# KiCad board BYOM_Blank_panel.kicad_pcb (continued)
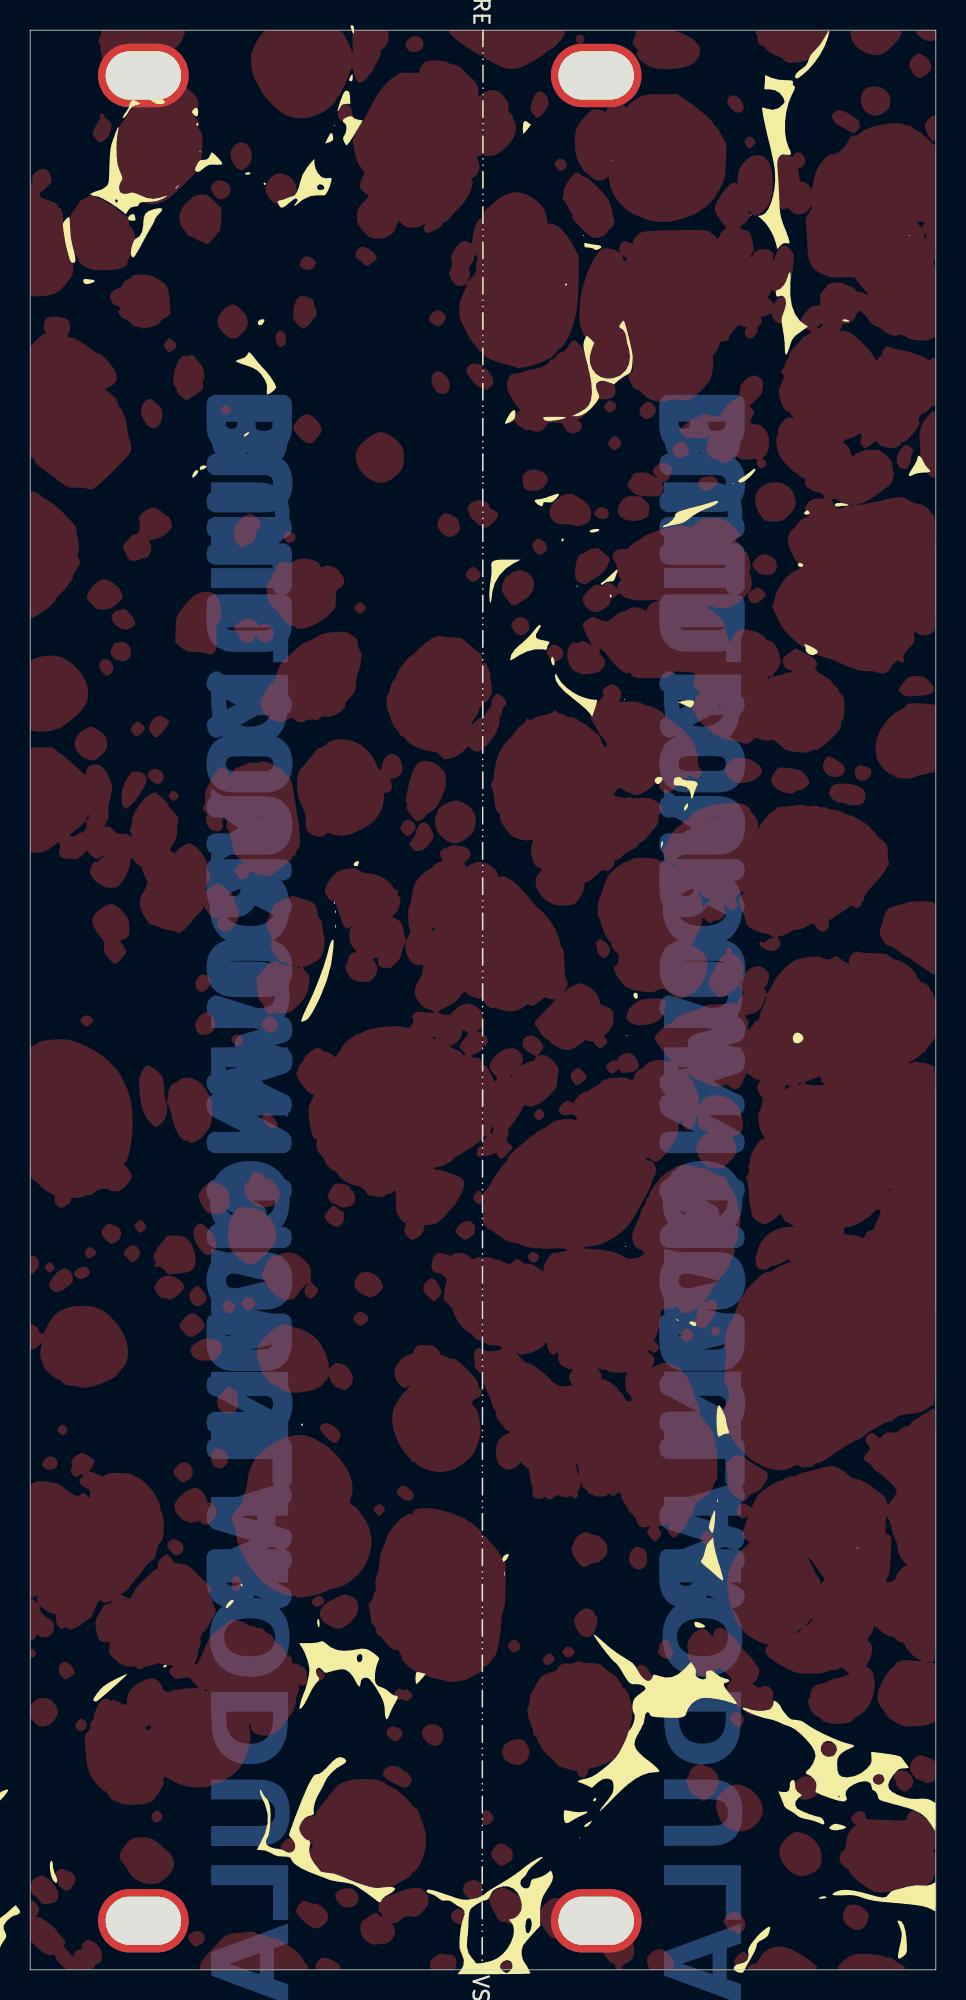
[diagram p0: board, top side]
## Copper pours and planes (outline as drawn; the poured copper is in the pictures) (continued)
Net-(H1-Pad1) on Bottom (solid shape): 15.69,47.29 15.95,47.26 16.21,47.19 16.46,47.08 16.5,47.05 16.7,46.89 16.85,46.7 16.97,46.48 17,46.41 17.07,46.17 17.12,45.9 17.13,45.65 17.13,45.56 17.11,45.31 17.05,45.05 16.97,44.81 16.95,44.76 16.82,44.55 16.66,44.36 16.46,44.21 16.26,44.12 16.01,44.04 15.76,44 15.51,43.99 13.55,43.99 13.37,44 13.11,44.03 12.85,44.1 12.61,44.21 12.56,44.24 12.37,44.4 12.21,44.59 12.09,44.81 12.06,44.88 11.99,45.13 11.94,45.39 11.93,45.65 12.71,45.65 12.72,45.56 12.77,45.32 12.91,45.11 13.03,45.02 13.27,44.93 13.53,44.91 15.53,44.91 15.68,44.92 15.93,44.97 16.15,45.11 16.21,45.17 16.31,45.39 16.35,45.65 16.34,45.73 16.29,45.97 16.15,46.19 16.03,46.28 15.79,46.36 15.53,46.39 13.53,46.39 13.38,46.38 13.13,46.32 12.91,46.19 12.86,46.12 12.75,45.9 12.71,45.65 11.93,45.65 11.93,45.73 11.95,45.99 12.01,46.25 12.09,46.49 12.11,46.53 12.24,46.74 12.4,46.92 12.61,47.08 12.8,47.17 13.05,47.25 13.3,47.28 13.55,47.29 15.51,47.29
Net-(H1-Pad1) on Bottom (solid shape): 45.69,81.55 45.95,81.52 46.21,81.45 46.46,81.34 46.5,81.31 46.7,81.15 46.85,80.96 46.97,80.74 47,80.67 47.07,80.43 47.12,80.16 47.13,79.91 47.13,79.82 47.11,79.57 47.05,79.31 46.97,79.07 46.95,79.02 46.82,78.81 46.66,78.62 46.46,78.47 46.26,78.38 46.01,78.3 45.76,78.26 45.51,78.25 43.55,78.25 43.37,78.26 43.11,78.29 42.85,78.36 42.61,78.47 42.56,78.5 42.37,78.66 42.21,78.85 42.09,79.07 42.06,79.14 41.99,79.39 41.94,79.65 41.93,79.91 42.71,79.91 42.72,79.82 42.77,79.58 42.91,79.37 43.03,79.28 43.27,79.19 43.53,79.17 45.53,79.17 45.68,79.17 45.93,79.23 46.15,79.37 46.21,79.43 46.31,79.65 46.35,79.91 46.34,79.99 46.29,80.23 46.15,80.45 46.03,80.53 45.79,80.62 45.53,80.65 43.53,80.65 43.38,80.64 43.13,80.58 42.91,80.45 42.86,80.38 42.75,80.16 42.71,79.91 41.93,79.91 41.93,79.99 41.95,80.25 42.01,80.51 42.09,80.75 42.11,80.79 42.24,81 42.4,81.18 42.61,81.34 42.8,81.43 43.05,81.5 43.3,81.54 43.55,81.55 45.51,81.55
Net-(H1-Pad1) on Bottom (solid shape): 45.69,68 45.95,67.97 46.21,67.9 46.46,67.79 46.5,67.76 46.7,67.6 46.85,67.42 46.97,67.2 47,67.13 47.07,66.88 47.12,66.61 47.13,66.36 47.13,66.27 47.11,66.03 47.05,65.76 46.97,65.52 46.95,65.47 46.82,65.26 46.66,65.08 46.46,64.93 46.26,64.83 46.01,64.76 45.76,64.72 45.51,64.71 43.55,64.71 43.37,64.71 43.11,64.74 42.85,64.81 42.61,64.93 42.56,64.95 42.37,65.11 42.21,65.3 42.09,65.52 42.06,65.59 41.99,65.84 41.94,66.11 41.93,66.36 42.71,66.36 42.72,66.28 42.77,66.04 42.91,65.82 43.03,65.73 43.27,65.65 43.53,65.62 45.53,65.62 45.68,65.63 45.93,65.68 46.15,65.82 46.21,65.88 46.31,66.11 46.35,66.36 46.34,66.44 46.29,66.69 46.15,66.9 46.03,66.99 45.79,67.08 45.53,67.1 43.53,67.1 43.38,67.09 43.13,67.04 42.91,66.9 42.86,66.84 42.75,66.62 42.71,66.36 41.93,66.36 41.93,66.45 41.95,66.7 42.01,66.96 42.09,67.2 42.11,67.25 42.24,67.46 42.4,67.64 42.61,67.79 42.8,67.88 43.05,67.96 43.3,68 43.55,68.01 45.51,68.01
Net-(H1-Pad1) on Bottom (solid shape): 45.69,47.29 45.95,47.26 46.21,47.2 46.46,47.08 46.5,47.05 46.7,46.9 46.85,46.71 46.97,46.49 47,46.42 47.07,46.17 47.12,45.91 47.13,45.65 47.13,45.57 47.11,45.32 47.05,45.06 46.97,44.81 46.95,44.77 46.82,44.55 46.66,44.37 46.46,44.22 46.26,44.12 46.01,44.05 45.76,44.01 45.51,44 43.55,44 43.37,44.01 43.11,44.04 42.85,44.1 42.61,44.22 42.56,44.25 42.37,44.4 42.21,44.59 42.09,44.81 42.06,44.88 41.99,45.13 41.94,45.4 41.93,45.65 42.71,45.65 42.72,45.57 42.77,45.33 42.91,45.11 43.03,45.03 43.27,44.94 43.53,44.91 45.53,44.91 45.68,44.92 45.93,44.98 46.15,45.11 46.21,45.18 46.31,45.4 46.35,45.65 46.34,45.74 46.29,45.98 46.15,46.2 46.03,46.28 45.79,46.37 45.53,46.39 43.53,46.39 43.38,46.39 43.13,46.33 42.91,46.2 42.86,46.13 42.75,45.91 42.71,45.65 41.93,45.65 41.93,45.74 41.95,45.99 42.01,46.25 42.09,46.5 42.11,46.54 42.24,46.75 42.4,46.93 42.61,47.08 42.8,47.18 43.05,47.25 43.3,47.29 43.55,47.3 45.51,47.3
Net-(H1-Pad1) on Top: 28.4,3.03
Net-(H1-Pad1) on Top: 13.7,38.21 13.71,38.14 13.72,38.05 13.72,37.96 13.73,37.85 13.74,37.74 13.75,37.58 13.75,37.45 13.75,37.39 13.75,37.34 13.74,37.29 13.74,37.25 13.73,37.22 13.71,37.18 13.7,37.15 13.68,37.13 13.33,36.88 13.28,36.86 13.23,36.86 13.18,36.85 13.12,36.85 13.07,36.86 13.01,36.86 12.96,36.87 12.9,36.89 12.84,36.91 12.71,38.24 12.79,38.32 12.86,38.39 12.93,38.45 12.99,38.51
Net-(H1-Pad1) on Top: 34.32,123.54 34.3,123.47 34.26,123.4 34.22,123.32 34.17,123.24 34.11,123.16 34.06,123.08 34,123.01 33.94,122.93 33.88,122.87 33.82,122.81 33.76,122.76 33.71,122.73 33.24,123.81 33.26,123.86 33.28,123.91 33.31,123.97 33.35,124.03 33.38,124.1 33.42,124.16 33.46,124.21 33.5,124.27 33.54,124.32 33.57,124.36
Net-(H1-Pad1) on Top: -5.8,55.36 -5.68,55.24 -5.54,55.1 -5.28,54.83 -4.52,54.06 -4.12,53.66 -3.8,53.32 -3.67,53.19 -3.58,53.08 -3.52,53.01 -3.44,52.86 -3.4,52.79 -3.35,52.71 -3.29,52.61 -3.23,52.52 -3.09,52.31 -3.03,52.2 -2.96,52.09 -2.91,51.99 -2.86,51.9 -2.82,51.82 -2.79,51.75 -2.33,50.9 -2.3,50.76 -2.27,50.63 -2.24,50.51 -2.2,50.41 -2.08,50.15 -2.06,50.12 -2.04,50.04 -2.02,49.94 -2.01,49.83 -2,49.7 -1.99,49.57 -1.99,49.43 -1.99,49.29 -2,49.16 -2.01,49.02 -2.02,48.9 -2.03,48.79 -2.05,48.7 -2.07,48.62 -2.1,48.57 -2.11,48.56 -2.2,47.77 -2.24,47.67 -2.28,47.56 -2.31,47.45 -2.34,47.34 -2.36,47.24 -2.37,47.15 -3.09,45.54 -3.12,45.49 -3.17,45.43 -3.24,45.35 -3.32,45.26 -3.41,45.16 -3.52,45.06 -3.63,44.95 -3.75,44.84 -3.87,44.73 -3.99,44.62 -4.11,44.52 -4.23,44.42 -4.34,44.33 -4.44,44.25 -5.26,43.55 -5.32,43.53 -5.39,43.51 -5.72,43.47 -6.04,43.48 -6.04,49.43 -6.04,53.05 -6.02,54.13 -6,54.84 -5.95,55.23 -5.92,55.33 -5.89,55.38 -5.85,55.39
Net-(H1-Pad1) on Top: 25.59,128.11 25.63,128.1 25.67,128.09 25.71,128.08 25.74,128.07 25.78,128.05 25.81,128.03 25.84,128.01 25.87,127.99 25.9,127.96 25.93,127.93 25.95,127.9 25.97,127.87 25.99,127.83 26.01,127.8 26.02,127.76 26.03,127.71 26.04,127.67 26.05,127.62 26.05,127.58 26.05,127.53 26.04,127.49 26.03,127.45 26.02,127.41 26,127.38 25.98,127.34 25.96,127.31 25.93,127.27 25.91,127.24 25.88,127.22 25.84,127.19 25.81,127.16 25.77,127.14 25.74,127.12 25.7,127.1 25.66,127.09 25.62,127.08 25.58,127.07 25.53,127.06 25.49,127.05 25.45,127.05 25.4,127.05 25.36,127.05 25.32,127.06 25.28,127.07 25.24,127.08 25.2,127.09 25.16,127.11 25.12,127.13 25.09,127.16 25.05,127.18 25.07,127.91 25.11,127.94 25.15,127.97 25.18,128 25.22,128.02 25.26,128.05 25.31,128.06 25.35,128.08 25.39,128.09 25.43,128.1 25.47,128.11 25.51,128.11 25.55,128.11
Net-(H1-Pad1) on Top: 36.8,59.01 36.76,58.96 36.72,58.92 36.67,58.87 36.61,58.83 36.56,58.78 36.5,58.74 36.44,58.7 36.39,58.67 36.34,58.64
Net-(H1-Pad1) on Top: 14.49,89.51 14.56,89.49 14.62,89.47 14.68,89.44 14.74,89.42 14.8,89.39 14.85,89.36 14.9,89.34 14.94,89.31 14.98,89.28 15.02,89.26 15.05,89.23 15.08,89.2 15.1,89.18 15.34,89.1 15.39,89.13 15.9,89.02 15.93,88.99 15.97,88.94 15.89,88.07 15.24,88.07 15.19,88.11 15.14,88.16 14.87,88.28 14.87,88.24 14.86,88.21 14.84,88.18 14.83,88.15 14.81,88.12 14.16,87.95 14.12,87.97 14.09,87.99 14.06,88.01 14.04,88.03 14.01,88.06 13.99,88.09 13.76,89.21 13.83,89.26 13.9,89.32 13.98,89.37 14.06,89.42
Net-(H1-Pad1) on Top: outline of 219 points within 27.86,106.12 36.34,117.77
Net-(H1-Pad1) on Top: outline of 81 points within 9.56,29.58 12.35,31.93
Net-(H1-Pad1) on Top: -0.65,0.2 -0.61,0.2 -0.56,0.19 -0.52,0.19 -0.45,0.17 -0.38,0.14 -0.3,0.11 -0.21,0.08 -0.13,0.05 -0.05,0.01 0.03,-0.03 0.11,-0.08 0.19,-0.12 0.26,-0.16 0.32,-0.2 0.38,-0.24 0.43,-0.28 0.47,-0.32 0.5,-0.35 0.12,-0.48 0.02,-0.49 -0.1,-0.49 -0.24,-0.49 -0.39,-0.49 -0.56,-0.49 -0.75,-0.49 -1.17,-0.49 -1.48,-0.49 -1.71,-0.48 -1.8,-0.48 -1.86,-0.47 -1.92,-0.46 -1.95,-0.45 -1.98,-0.44 -1.99,-0.43 -1.99,-0.41 -1.99,-0.39 -1.94,-0.31 -1.92,-0.28 -1.89,-0.25 -1.79,-0.16 -1.71,-0.11 -1.62,-0.05 -1.53,0 -1.43,0.04 -1.32,0.08 -1.22,0.12 -1.11,0.15 -1,0.17 -0.9,0.19 -0.79,0.2 -0.7,0.21
Net-(H1-Pad1) on Top: 42.29,99.73 42.34,99.7 42.4,98.92 42.37,98.87 42.34,98.83 42.3,98.78 42.27,98.74 42.23,98.7 42.19,98.66 41.96,98.13 41.95,98.08 41.93,98.03 41.91,97.98 41.89,97.92 41.86,97.87 41.83,97.82 41.79,97.78 41.76,97.74 40.96,97.62 40.4,97.66 40.73,97.35 40.87,97.22 40.9,97.18 41.02,96.85 41,96.68 40.97,96.42 40.95,96.3 40.66,96.14 40.61,96.12 40.55,96.1 40.49,96.08 40.43,96.06 40.37,96.04 40.31,96.03 40.25,96.01 40.19,96 40.13,96 40.07,95.99 40.01,95.99 39.95,95.99 39.9,95.99 39.85,95.99 39.81,96 39.65,96.03 39.52,96.06 39.01,97.03 39.05,97.09 39.09,97.16 39.13,97.23 39.9,97.63 39.98,97.63 39.78,98.02 39.53,98.33 39.75,98.72 39.9,99.01 39.96,99.1 40.77,99.19 40.82,99.18 40.86,99.17 41.2,99.02 41.58,98.81 41.39,99.01
Net-(H1-Pad1) on Top: outline of 214 points within 1.61,5.23 3,6.69
Net-(H1-Pad1) on Top: 27.49,1.02 27.54,1.02 27.59,1.01 28.16,0.12 28.14,0.08 28.13,0.04 28.11,0 28.08,-0.04 27.14,-0.44 27.09,-0.44 27.05,-0.43 27,-0.42 26.49,0.22 26.49,0.29 26.61,0.69 26.65,0.72
Net-(H1-Pad1) on Top: 21.3,123.14 21.33,123.01 21.36,122.87 21.13,122.51 21.08,122.47 20.59,122.5
Net-(H1-Pad1) on Top: outline of 167 points within -3.72,82.03 3.85,87.06
Net-(H1-Pad1) on Top: 33.81,94.76 33.34,94.13 33.32,94.18 33.3,94.23 33.32,94.54 33.35,94.58 33.49,94.73
Net-(H1-Pad1) on Top: outline of 84 points within 48.04,95.94 50.73,98.55
Net-(H1-Pad1) on Top: 4.25,82.29 4.35,82.23 4.41,82.2 4.47,82.17 4.52,82.14 4.57,82.1 4.62,82.07 4.67,82.03 4.71,82 4.75,81.96 4.79,81.92 4.83,81.88 4.87,81.84 4.9,81.8 4.93,81.76 4.96,81.72 4.98,81.68 5.01,81.63 5.03,81.59 5.05,81.55 5.06,81.5 5.08,81.46 5.09,81.41 5.1,81.36 5.1,81.32 5.11,81.27 5.11,81.22 5.11,81.18 5.1,81.13 5.09,81.08 5.08,81.03 5.07,80.98 5.06,80.93 5.04,80.88 5.02,80.83 4.99,80.78 4.96,80.73 4.93,80.68 4.89,80.63 4.84,80.58 4.8,80.53 4.75,80.48 4.69,80.43 4.64,80.39 4.59,80.34 4.53,80.3 4.47,80.27 4.42,80.24 4.36,80.21 4.3,80.18 3.71,80.22 3.51,80.32 3.45,80.37 3.38,80.43 3.32,80.49 3.25,80.56 3.2,80.63 3.14,80.7 3.09,80.77 3.05,80.85 3.01,80.92 2.98,80.99 2.95,81.33 2.97,81.41 2.99,81.48 3.03,81.56 3.06,81.63 3.11,81.7 3.15,81.78 3.21,81.84 3.26,81.91 3.32,81.98 3.39,82.03 3.45,82.09 3.52,82.14 3.6,82.18 3.67,82.22 3.79,82.28
Net-(H1-Pad1) on Top: 22.07,114.14 22.11,114.14 22.15,114.13 22.2,114.12 22.24,114.1 22.28,114.09 22.37,114.05 22.46,114 22.54,113.95 22.62,113.89 22.7,113.82 22.76,113.76 22.82,113.69 22.88,113.62 22.95,113.46 22.95,113.43 22.95,113.4 22.95,113.38 22.94,113.35 22.93,113.33 22.91,113.3 22.88,113.27 22.36,112.89
Net-(H1-Pad1) on Top: 25.23,76.14 25.27,76.11 25.32,76.07 25.36,76.04 25.39,76 25.43,75.96 25.46,75.91 25.48,75.54 25.45,75.49 25.41,75.44 25.38,75.39 25.33,75.34 25.29,75.3 25.25,75.25 25.2,75.21 25.16,75.18 24.58,75.82 24.61,75.87 24.64,75.91 24.68,75.96 24.71,76 24.75,76.05 24.8,76.08 24.84,76.12 24.88,76.15
Net-(H1-Pad1) on Top: 54.6,4.33 54.67,4.33 54.74,4.31 54.8,4.3 54.87,4.28 54.93,4.25 55,4.22 55.06,4.19 55.12,4.15 55.17,4.11 55.24,4.05 55.3,4 55.35,3.95 55.52,3.35 55.51,3.28 55.49,3.22 55.47,3.16 55.44,3.11 55.42,3.06 55.39,3.01 55.36,2.96 55.33,2.92 55.3,2.88 55.27,2.84 55.24,2.81 55.2,2.78 55.16,2.75 55.12,2.72 55.08,2.7 55.04,2.68 55,2.67 54.96,2.66 54.91,2.65 54.87,2.65 54.82,2.64 54.77,2.65 54.73,2.65 54.68,2.66 54.63,2.67 54.58,2.69 54.53,2.71 54.48,2.73 54.43,2.75 54.38,2.78 54.33,2.82 54.28,2.85 53.85,3.36 53.85,3.42 53.84,3.48 53.85,3.55 53.86,3.62 53.87,3.69 53.89,3.76 53.91,3.83 53.93,3.9 53.96,3.97 53.99,4.03 54.02,4.09 54.05,4.14 54.09,4.19 54.21,4.27 54.27,4.29 54.33,4.31 54.4,4.32 54.47,4.33 54.53,4.33
Net-(H1-Pad1) on Top: 36.89,23.94 36.94,23.93 37,23.92 37.05,23.9 37.1,23.88 37.16,23.85 37.2,23.83 37.25,23.8 37.29,23.76 37.58,23.27 37.58,23.21 37.58,23.14 37.57,23.07 37.56,23 37.55,22.92 37.53,22.84 37.51,22.76 37.49,22.68 37.46,22.6 37.43,22.52 37.39,22.45 37.35,22.38 36.44,22.24 36.39,22.29 36.35,22.35 36.31,22.41 36.26,22.48 36.22,22.56 36.18,22.64 36.15,22.71 36.12,22.79 36.09,22.87 36.07,22.94 36.05,23.02 36.04,23.08 36.08,23.31 36.11,23.37 36.14,23.43 36.18,23.49 36.23,23.55 36.28,23.61 36.33,23.67 36.38,23.72 36.44,23.77 36.5,23.82 36.56,23.86 36.62,23.89 36.84,23.94
Net-(H1-Pad1) on Top: outline of 995 points within 17.64,48.41 38.64,74.36
Net-(H1-Pad1) on Top: 35.34,4.59 35.43,4.52 35.99,3.94 36.03,3.88 36.06,3.81 36.09,3.74 36.12,3.67 36.14,3.58 36.15,3.5 36.17,3.42 36.17,3.33 36.17,3.24 36.17,3.16 36.16,3.07 36.15,2.99 36.13,2.91 36.11,2.84 36.08,2.77 36.03,2.67 35.98,2.58 35.93,2.49 35.88,2.42 35.83,2.35 35.34,2.06 35.26,2.05 35.17,2.05 35.08,2.05 34.41,2.26 34.19,2.53 34.13,2.61 34.08,2.69 34,2.8 33.97,2.85 33.94,2.9 33.91,2.95 33.89,3 33.87,3.04 33.85,3.09 33.83,3.14 33.82,3.19 33.81,3.24 33.8,3.29 33.79,3.35 33.79,3.41 33.78,3.68 33.78,3.75 33.78,3.8 33.78,3.85 33.89,4.11 33.92,4.15 33.96,4.2 34.01,4.25 34.12,4.38 34.21,4.46 34.29,4.53
Net-(H1-Pad1) on Top: 6.57,89.9 6.62,89.84 6.67,89.78 6.72,89.71 6.77,89.64 6.81,89.56 6.85,89.49 6.88,89.43 6.91,89.37 6.74,88.94 6.68,88.91 6.01,88.86 5.95,88.89 5.88,88.93 5.82,88.97 5.76,89.02 5.7,89.06 5.64,89.12 5.59,89.17 5.54,89.22 5.5,89.28 5.46,89.33 5.43,89.39 5.41,89.67 5.43,89.71 5.45,89.76 5.47,89.8 5.49,89.84 5.52,89.88 5.55,89.91 5.58,89.95 5.62,89.97
Net-(H1-Pad1) on Top: 20.9,24.85 20.95,24.85 21,24.84 21.05,24.82 21.1,24.81 21.16,24.78 21.23,24.76 21.3,24.73 21.36,24.7 21.73,24.11 21.73,24.05 21.73,23.97 21.72,23.89 21.71,23.82 21.7,23.74 21.68,23.67 21.66,23.61 21.63,23.54 21.6,23.47 21.56,23.41 21.51,23.35 21.46,23.28 21.41,23.22 21.35,23.15 21.28,23.09 21.2,23.02 21.12,22.95 21.03,22.88 20.94,22.81 20.86,22.75 20.78,22.71 20.1,22.66 20.02,22.69 19.94,22.73 19.84,22.78 19.76,22.84 19.68,22.89 19.6,22.93 19.54,22.98 19.48,23.03 19.42,23.08 19.38,23.12 19.34,23.17 19.3,23.21 19.27,23.26 19.25,23.31 19.23,23.36 19.21,23.41 19.2,23.46 19.2,23.52 19.19,23.58 19.5,24.18 19.57,24.24 19.65,24.3 19.74,24.36 19.84,24.43 19.94,24.49 20.05,24.55 20.17,24.6 20.38,24.7 20.47,24.74 20.55,24.78 20.62,24.8 20.68,24.82 20.74,24.84 20.8,24.85 20.85,24.85
Net-(H1-Pad1) on Top: 9.62,48.65 9.73,48.64 9.83,48.63 9.93,48.62 10.02,48.61 10.11,48.58 10.18,48.56 10.5,48.32 10.55,48.25 10.61,48.17 10.66,48.09 10.71,48 10.76,47.9 10.8,47.8 10.83,47.7 10.87,47.6 10.9,47.49 10.92,47.38 10.94,47.27 10.95,47.16 10.95,47.03 10.96,46.96 10.95,46.91 10.95,46.85 10.95,46.8 10.94,46.75 10.93,46.7 10.92,46.65 10.9,46.61 10.88,46.57 10.86,46.53 10.84,46.49 10.81,46.46 10.78,46.43 10.75,46.4 10.72,46.37 10.68,46.34 10.64,46.32 10.59,46.29 10.54,46.27 10.49,46.25 10.43,46.23 10.37,46.21 10.31,46.2 10.24,46.18 10.09,46.16 9.93,46.13 9.75,46.11 9.16,46.06 8.87,46.36 8.33,47.64 8.37,47.72 8.43,47.8 8.49,47.88 8.55,47.97 8.63,48.06 8.7,48.15 8.77,48.24 8.83,48.32 8.88,48.4 8.92,48.46 9.08,48.61 9.14,48.62 9.22,48.64 9.31,48.64 9.41,48.65 9.51,48.65
Net-(H1-Pad1) on Top: outline of 370 points within -4.3,110.87 6.97,119.31
Net-(H1-Pad1) on Top: 52.93,80.39 52.98,80.38 53.04,80.35 53.11,80.32 53.19,80.28 53.26,80.24 53.35,80.19 53.43,80.14 53.51,80.09 53.59,80.04 53.66,79.98 53.73,79.93 53.79,79.88 53.84,79.83 53.88,79.78 53.91,79.74 53.94,79.7 53.96,79.65 53.97,79.61 53.98,79.57 53.99,79.52 53.98,79.48 53.98,79.44 53.97,79.4 53.95,79.36 53.93,79.32 53.91,79.29 53.88,79.25 53.85,79.22 53.81,79.19 53.77,79.16 53.73,79.13 53.69,79.11 53.64,79.09 53.59,79.07 53.54,79.05 53.49,79.04 53.44,79.03 53.38,79.02 53.33,79.02 53.27,79.02 53.21,79.02 53.16,79.03 53.1,79.04 53.04,79.06 52.98,79.08 52.92,79.1 52.75,79.24 52.71,79.28 52.67,79.33 52.64,79.38 52.61,79.44 52.58,79.49 52.55,79.54
Net-(H1-Pad1) on Top: -5.01,1.91 -4.92,1.9 -4.84,1.89 -4.75,1.87 -4.66,1.85 -4.6,1.84 -4.54,1.82 -4.48,1.8 -4.43,1.78 -4.38,1.76 -4.32,1.73 -4.27,1.7 -4.22,1.67 -4.17,1.63 -4.11,1.59 -4.05,1.54 -3.99,1.49 -3.92,1.43 -3.86,1.36 -3.78,1.29 -3.7,1.21 -3.59,1.1 -3.5,1 -3.41,0.91 -3.34,0.82 -3.28,0.75 -3.23,0.68 -3.1,0.27 -3.1,0.2 -3.11,0.12 -3.12,0.03 -3.14,-0.07 -3.21,-0.45 -6.04,-0.5 -6.04,1.78 -5.72,1.83 -5.59,1.86 -5.45,1.88 -5.33,1.9
Net-(H1-Pad1) on Top: -5.17,75.24 -5.22,75.2 -5.87,75.22
Net-(H1-Pad1) on Top: -2.88,71.42 -2.83,71.41 -2.78,71.4 -2.73,71.38 -2.67,71.36 -2.62,71.34 -2.57,71.31 -2.52,71.28 -2.47,71.24 -2.43,71.21 -2.38,71.17 -2.29,71.09 -2.2,71 -2.13,70.9 -2.09,70.85 -2.06,70.81 -2.04,70.76 -2.01,70.71 -1.99,70.66 -1.97,70.61 -1.96,70.57 -1.95,70.52 -1.94,70.48 -1.94,70.44 -1.95,70.4 -1.96,70.36 -1.97,70.33 -1.99,70.3 -2.03,70.25 -2.07,70.2 -2.1,70.16 -2.14,70.12 -2.18,70.09 -2.21,70.05 -2.25,70.02 -2.29,69.99 -2.32,69.97 -2.36,69.95 -2.39,69.93 -2.43,69.91 -2.72,69.88 -2.75,69.89 -2.78,69.9 -2.82,69.91 -2.85,69.93 -2.89,69.95 -2.92,69.98 -2.96,70 -2.99,70.03 -3.02,70.06 -3.06,70.1 -3.09,70.13 -3.12,70.17 -3.19,70.26 -3.25,70.36 -3.31,70.46 -3.36,70.56 -3.39,70.66 -3.43,70.76 -3.45,70.86 -3.47,70.95 -3.47,71.04 -3.47,71.12 -3.42,71.32 -3.4,71.34 -3.39,71.36 -3.36,71.37 -3.34,71.38 -3.32,71.39 -3.29,71.4 -3.14,71.41 -2.97,71.42 -2.92,71.42
Net-(H1-Pad1) on Top: 11.9,41.81 12.03,41.8 12.15,41.77 12.27,41.74 12.33,41.72 12.38,41.69 12.43,41.66 12.48,41.64 12.52,41.61 12.56,41.57 12.6,41.54 12.63,41.5 12.66,41.46 12.68,41.42 12.7,41.38 12.71,41.33 12.72,41.22 12.72,41.16 12.71,41.1 12.7,41.04 12.68,40.98 12.65,40.91 12.63,40.85 12.59,40.79 12.56,40.73 12.52,40.67 12.48,40.62 12.44,40.57 12.4,40.53 12.35,40.49 12.31,40.46 12.25,40.44 12.19,40.42 12.12,40.4 12.04,40.38 11.95,40.37 11.86,40.36 11.77,40.36 11.68,40.36 11.58,40.36 11.49,40.36 11.4,40.37 11.31,40.38 11.23,40.39 11.16,40.41 11.09,40.43 11.04,40.45 11.13,41.64 11.18,41.67 11.23,41.7 11.28,41.72 11.34,41.75 11.39,41.77 11.45,41.78 11.51,41.8 11.58,41.81 11.64,41.81 11.77,41.82
Net-(H1-Pad1) on Top: 31.45,5.4 31.52,5.38 31.6,5.34 31.69,5.3 31.79,5.25 31.9,5.19 32.01,5.13 32.12,5.06 32.22,5 32.32,4.93 32.52,4.74 32.56,4.7 32.59,4.65 32.62,4.6 32.65,4.55 32.67,4.5 32.69,4.45 32.71,4.39 32.72,4.34 32.73,4.28 32.74,4.23 32.74,4.17 32.74,4.12 32.74,4.06 32.73,4.01 32.72,3.95 32.71,3.89 32.7,3.84 32.68,3.78 32.66,3.73 32.63,3.68 32.61,3.63 32.58,3.58 32.55,3.53 32.51,3.48 32.47,3.43 32.43,3.38 32.39,3.34 32.35,3.3 32.3,3.26 32.25,3.22 32.2,3.19 32.14,3.15 30.89,3.53 30.84,3.62 30.79,3.72 30.73,3.83 30.67,3.96 30.6,4.09 30.55,4.21 30.5,4.31 30.46,4.41 30.43,4.5 30.4,4.58 30.39,4.65 30.48,4.98 30.53,5.03 30.58,5.07 30.64,5.12 30.74,5.19 30.82,5.25 30.9,5.31 30.97,5.35
Net-(H1-Pad1) on Top: 42.28,21.75 42.32,21.72 42.35,21.69 42.37,21.65 42.4,21.61 41.72,21.57 41.74,21.61 41.76,21.65 41.79,21.68 41.82,21.72 41.85,21.75 41.88,21.77
Net-(H1-Pad1) on Top: outline of 168 points within 36.09,115.8 46.13,124.26
Net-(H1-Pad1) on Top: 45.39,98.25 45.34,98.22 45.29,98.18 45.23,98.15 45.17,98.12 45.12,98.09 45.05,98.07 44.27,98.59 44.65,98.89 44.7,98.9 44.76,98.92 44.82,98.93
Net-(H1-Pad1) on Top: 26.54,75.61 26.56,75.56 26.63,75.4 26.66,75.34 26.68,75.28 26.69,75.22 26.71,75.17 26.68,74.94 26.66,74.91 26.64,74.87 26.51,74.7 26.45,74.62 26.39,74.55 26.34,74.48 26.29,74.43 26.24,74.38 26.19,74.33 26.15,74.3 26.11,74.26 26.06,74.23 26.02,74.21 25.98,74.19 25.93,74.17 25.89,74.16 25.84,74.15 25.29,74.35 25.1,74.61 25.32,74.9 25.71,75.76
Net-(H1-Pad1) on Top: 56,124.77 56.06,124.76 56.13,124.76 56.2,124.74 56.26,124.73 56.32,124.71 56.38,124.69 56.44,124.66 56.5,124.63 56.55,124.6 56.6,124.57 56.65,124.53 56.69,124.49 56.74,124.45 56.78,124.4 56.81,124.36 56.85,124.31 56.88,124.26 56.91,124.2 56.93,124.15 56.95,124.09 56.97,124.03 56.98,123.96 56.99,123.9 56.99,123.83 56.99,123.77 56.99,123.7 56.98,123.63 56.97,123.58 56.96,123.52 56.78,123.2 56.73,123.17 56.68,123.13 56.62,123.09 56.56,123.04 56.49,123 56.43,122.96 56.37,122.93 56.31,122.9 56.26,122.88 56.21,122.86 56.15,122.84 55.9,122.84 55.84,122.85 55.79,122.86 55.73,122.88 55.68,122.91 55.62,122.94 55.55,122.98 55.49,123.01 55.43,123.05 55.38,123.09 55.12,123.46 55.1,123.52 55.08,123.58 55.06,123.65 55.05,123.73 55.04,123.8 55.03,123.88 55.03,123.96 55.03,124.04 55.05,124.12 55.06,124.19 55.09,124.26 55.11,124.32 55.15,124.39 55.18,124.45 55.22,124.5 55.27,124.55 55.56,124.72 55.64,124.74 55.71,124.75 55.78,124.76 55.85,124.77 55.93,124.77
Net-(H1-Pad1) on Top: 0.3,20.79 0.26,20.75 0.22,20.71 0.18,20.67 0.13,20.64 0.09,20.6 0.04,20.58 -1.48,20.28 -1.46,20.32 -1.44,20.37 -1.42,20.42 -1.39,20.47 -1.36,20.51 -1.32,20.55 -1.29,20.59 -1.25,20.63 -1.21,20.67 -1.17,20.7 -1.13,20.73 -1.09,20.75
Net-(H1-Pad1) on Top: 49.04,93.67 49.08,93.65 49.12,93.63 49.16,93.6 49.2,93.57 49.23,93.54 49.27,93.51 49.3,93.48 49.32,93.44 49.35,93.41 49.37,93.37 49.39,93.34 49.41,93.3 49.43,93.26 49.44,93.22 49.45,93.18 49.46,93.14 49.46,93.1 49.47,93.06 49.47,93.02 49.46,92.98 49.46,92.93 49.45,92.89 49.44,92.85 49.43,92.81 49.41,92.77 49.4,92.73 49.38,92.69 49.35,92.65 49.33,92.61 49.3,92.57 49.07,92.42 49.01,92.41 48.94,92.4 48.86,92.39 48.79,92.39 48.72,92.39 48.64,92.4 48.57,92.41 48.5,92.43 48.43,92.45
Net-(H1-Pad1) on Top: outline of 99 points within 45.44,9.16 48.53,12.23
Net-(H1-Pad1) on Top: 14.01,121.06 14.05,121.06 14.09,121.05 14.13,121.04 14.17,121.03 14.22,121.01 14.26,120.99 14.29,120.97 14.33,120.94 14.37,120.91 14.4,120.88 14.44,120.85 14.47,120.81 14.5,120.77 14.53,120.72 14.56,120.68 14.58,120.63 14.6,120.58 14.62,120.52 14.65,120.45 14.66,120.38 14.67,120.31 14.68,120.24 14.68,120.17 14.68,120.11 14.68,120.04 14.66,119.97 14.65,119.91 14.63,119.85 14.6,119.78 14.57,119.72 14.53,119.66 14.49,119.6 14.45,119.54 14.4,119.48 14.35,119.43 13.68,119.38 13.64,119.42 13.6,119.46 13.56,119.51 13.52,119.57 13.48,119.63 13.44,119.69 13.41,119.76 13.38,119.82 13.35,119.89 13.33,119.95 13.3,120.02 13.29,120.08 13.27,120.15 13.27,120.21 13.49,120.8 13.52,120.84 13.56,120.88 13.6,120.91 13.63,120.94 13.67,120.97 13.71,120.99 13.75,121.01 13.79,121.03 13.84,121.04 13.88,121.05 13.92,121.06 13.96,121.06
Net-(H1-Pad1) on Top: 2.29,46.46 2.32,46.46 2.36,46.45 2.83,45.87 2.83,45.83 2.84,45.79 2.84,45.75 2.83,45.71 2.83,45.67 2.82,45.63 2.77,45.53 2.72,45.48 2.66,45.42 2.6,45.36 2.52,45.3 2.44,45.24 2.36,45.18 2.27,45.12 2.19,45.06 2.1,45.02 2.02,44.97 1.94,44.94 1.87,44.91 1.27,45.45 1.3,45.53 1.34,45.61 1.38,45.7 1.44,45.79 1.5,45.87 1.57,45.96 1.64,46.04 1.71,46.12 1.79,46.2 1.86,46.27 1.94,46.33 2.01,46.38 2.15,46.45 2.18,46.45 2.22,46.46 2.25,46.46
Net-(H1-Pad1) on Top: 13.59,110.3 13.65,110.27 13.71,110.22 13.78,110.17 13.85,110.1 13.92,110.04 13.99,109.96 14.07,109.89 14.13,109.81 14.2,109.74 14.25,109.67 14.3,109.6 14.34,109.55 14.38,109.45 14.41,109.15 14.38,108.91 14.36,108.86 14.34,108.81 14.31,108.76 14.28,108.7 14.24,108.65 14.2,108.59 14.15,108.54 14.1,108.48 14.04,108.42 13.98,108.36 13.91,108.3 13.85,108.25 13.8,108.2 13.16,108.17 13.1,108.2 13.03,108.25 12.96,108.31 12.88,108.37 12.82,108.43 12.75,108.49 12.7,108.56 12.64,108.62 12.59,108.69 12.55,108.76 12.51,108.83 12.48,108.9 12.45,108.97 12.43,109.03 12.43,109.33 12.44,109.38 12.45,109.43 12.47,109.47 12.49,109.52 12.51,109.57 12.56,109.66 12.62,109.75 12.68,109.84 12.75,109.92 12.83,110 12.91,110.07 12.99,110.13 13.08,110.19 13.16,110.24 13.21,110.26 13.25,110.28 13.29,110.3 13.34,110.31 13.38,110.32 13.42,110.33 13.47,110.33 13.51,110.33
Net-(H1-Pad1) on Top: 41.31,103.64 41.25,102.94 41.2,102.9 40.58,103.68 40.63,103.72
Net-(H1-Pad1) on Top: 18.12,110.88 18.19,110.87 18.25,110.86 18.32,110.84 18.39,110.81 18.45,110.79 18.52,110.76 18.58,110.73 18.63,110.7 18.68,110.66 18.72,110.63 18.88,110.12 18.92,110.02 18.94,109.97 18.96,109.92 18.97,109.86 18.97,109.81 18.97,109.76 18.97,109.71 18.97,109.66 18.96,109.61 18.94,109.57 18.64,109.18 18.61,109.14 18.57,109.1 18.53,109.05 18.48,109 18.43,108.96 18.38,108.91 18.33,108.87 18.28,108.83 18.23,108.79 18.19,108.77 17.58,109.17 17.44,109.62 17.45,109.86 17.45,109.97 17.47,110.07 17.48,110.17 17.5,110.26 17.52,110.34 17.54,110.42 17.57,110.5 17.6,110.56 17.63,110.62 17.67,110.68 17.71,110.73 17.76,110.77 17.8,110.81 17.85,110.84 17.91,110.86 17.96,110.88 18.01,110.88 18.07,110.89
Net-(H1-Pad1) on Top: -1.21,119.73 -0.66,119.11 -0.36,118.84 -0.58,118.57 -0.63,118.51 -1.59,119.26 -1.8,119.53 -1.46,119.91
Net-(H1-Pad1) on Top: 32.72,89.55 32.77,89.52 32.81,89.49 32.85,89.46 32.89,89.43 32.92,89.39 32.95,89.36 33.07,89.04 33.08,89 33.07,88.95 33.07,88.91 33.06,88.87 33.05,88.83 33.04,88.79 33.02,88.75 33,88.72 32.98,88.68 32.96,88.65 32.93,88.62 32.53,88.42 32.5,88.41 32.46,88.42 32.42,88.42 32.39,88.43 32.35,88.44 32.32,88.45 32.28,88.47 32.25,88.49 32.22,88.51 32.06,88.7 32.03,88.76
Net-(H1-Pad1) on Top: 58.26,11.98 57.76,11.88 57.71,11.91 57.67,11.94 57.63,11.97 57.59,12 57.55,12.04 57.51,12.08 57.48,12.12 57.45,12.16 57.42,12.19 57.39,12.23 57.37,12.27
Net-(H1-Pad1) on Top: -4.32,63.37 -4.37,63.33 -4.42,63.29 -4.86,63.26 -5.68,63.84 -5.65,63.87 -5.61,63.9 -5.57,63.92 -5.17,64.46 -5.14,64.5 -5.11,64.54 -5.08,64.57 -5.04,64.61 -5,64.64 -4.95,64.67
Net-(H1-Pad1) on Top: outline of 144 points within 15.02,38.23 21.38,42.76
Net-(H1-Pad1) on Top: 39.65,60.73 39.69,60.72 39.73,60.71 39.77,60.7 39.8,60.69 39.84,60.68 39.87,60.66 39.91,60.64 39.94,60.61 39.97,60.59 40,60.56 40.03,60.53 40.06,60.5 40.09,60.46 40.12,60.43 40.14,60.39 40.17,60.34 40.19,60.3 40.22,60.25 40.24,60.2 40.26,60.15 40.28,60.1 40.3,60.04 38.33,60.08 38.38,60.12 38.43,60.15 39.33,60.67 39.37,60.69 39.41,60.7 39.45,60.71 39.49,60.72 39.54,60.73 39.58,60.73 39.61,60.73
Net-(H1-Pad1) on Top: 49.96,79.65 50.06,79.64 50.17,79.63 50.4,79.6 50.63,79.56 50.74,79.54 50.83,79.52 50.92,79.49 50.99,79.47 51.05,79.44 51.09,79.42 51.15,79.37 51.2,79.32 51.25,79.27 51.3,79.23 51.35,79.18 51.39,79.13 51.43,79.08 51.47,79.03 51.5,78.98 51.53,78.94 51.55,78.89 51.57,78.85 51.59,78.81 51.6,78.77 51.48,78.44 51.44,78.39 51.39,78.35 51.34,78.31 51.29,78.28 51.23,78.24 50.03,77.99 49.94,78.01 49.85,78.03 49.77,78.07 49.68,78.11 49.6,78.15 49.52,78.2 49.45,78.26 49.38,78.32 49.32,78.38 49.26,78.44 49.21,78.51 49.17,78.58 49.11,78.83 49.12,78.89 49.13,78.96 49.15,79.02 49.17,79.09 49.2,79.15 49.24,79.21 49.27,79.28 49.31,79.33 49.35,79.39 49.39,79.44 49.43,79.49 49.47,79.53 49.52,79.57 49.56,79.6 49.64,79.64 49.7,79.65 49.78,79.65 49.86,79.65
Net-(H1-Pad1) on Top: -5.41,41.67 -5.37,41.67 -5.33,41.66 -5.29,41.66 -5.25,41.65 -5.21,41.63 -5.17,41.62 -5.13,41.6 -5.1,41.58 -5.06,41.55 -5.03,41.53 -4.99,41.5 -4.96,41.47 -4.93,41.44 -4.91,41.41 -4.88,41.37 -4.86,41.34 -4.84,41.3 -4.82,41.26 -4.8,41.21 -4.79,41.17 -4.78,41.1 -4.76,41.04 -4.75,40.98 -4.75,40.92 -4.85,40.56 -4.88,40.51 -4.92,40.46 -4.96,40.4 -5.01,40.35 -5.07,40.29 -5.12,40.24 -5.98,40.42 -6.01,40.5 -6.03,40.58 -6.04,40.67 -6.05,40.77 -6.05,40.86 -6.05,40.96 -6.04,41.06 -6.03,41.15 -6.01,41.23 -5.98,41.31 -5.87,41.5 -5.84,41.53 -5.8,41.56 -5.77,41.58 -5.73,41.6 -5.69,41.62 -5.65,41.64 -5.61,41.65 -5.57,41.66 -5.53,41.67 -5.49,41.67 -5.45,41.67
Net-(H1-Pad1) on Top: 1.05,6.12 1.13,6.06 1.21,6 1.28,5.94 1.35,5.88 1.42,5.81 1.48,5.75 1.53,5.69 1.58,5.62 1.63,5.56 1.67,5.49 1.71,5.43 1.75,5.36 1.77,5.3 1.8,5.24 1.82,5.17 1.83,5.11 1.84,5.03 1.85,4.96 1.86,4.89 1.86,4.83 1.62,4.49 1.56,4.46 1.5,4.44 1.43,4.42 1.35,4.4 1.28,4.38 1.21,4.37 1.15,4.35 1.1,4.35 1.05,4.34 1,4.34 0.96,4.34 0.92,4.34 0.88,4.35 0.85,4.36 0.82,4.38 0.79,4.39 0.76,4.41 0.73,4.44
Net-(H1-Pad1) on Top: -0.31,47.57 -0.17,47.51 0.58,46.72 0.57,46.67 0.56,46.62 0.54,46.57 0.14,45.97 0.1,45.94 0.07,45.91 0.03,45.88 -0.01,45.85 -0.05,45.82 -0.1,45.8 -0.14,45.78 -1.19,46.85 -1.16,46.91 -1.12,46.97 -1.08,47.04 -1.03,47.11 -0.97,47.18 -0.92,47.25 -0.86,47.32 -0.8,47.38 -0.75,47.44 -0.69,47.5 -0.64,47.55 -0.59,47.59 -0.55,47.62
Net-(H1-Pad1) on Top: outline of 184 points within 17.69,5.1 26.22,12.64
Net-(H1-Pad1) on Top: 8.54,128.62 9.46,128.61 10.07,128.59 10.24,128.58 10.3,128.57 10.3,128.53 10.29,128.47 10.27,128.4 10.25,128.32 10.22,128.24 10.19,128.16 10.15,128.07 10.11,127.99 10.07,127.9 10.03,127.82 9.99,127.74 9.95,127.67 9.91,127.6 9.87,127.54 9.83,127.5 9.8,127.46 9.59,127.29 9.38,127.13 9.17,126.97 8.96,126.83 8.76,126.7 8.67,126.65 8.58,126.6 8.49,126.55 8.41,126.51 8.34,126.48 8.18,126.42 8.07,126.37 7.94,126.32 7.8,126.26 7.5,126.12 7.35,126.05 7.07,125.92 6.94,125.86 6.81,125.8 6.7,125.76 6.61,125.72 6.53,125.69 5.9,125.83 5.81,125.87 5.72,125.91 5.64,125.94 5.56,125.98 5.22,126.17 5.17,126.16 4.85,126.34 4.83,126.38 4.81,126.43 4.79,126.48 4.77,126.55 4.75,126.63 4.73,126.72 4.71,126.82 4.69,126.92 4.68,127.02 4.67,127.12 4.65,127.3 4.64,127.38 4.63,127.46 4.61,127.54 4.6,128.57 4.77,128.58 5.04,128.59 5.39,128.6 5.82,128.61 6.3,128.62 6.84,128.62 7.42,128.62
Net-(H1-Pad1) on Top: outline of 281 points within -6.04,86.49 3.21,104.01
Net-(H1-Pad1) on Top: outline of 338 points within 37.6,64.38 56.83,77.31
Net-(H1-Pad1) on Top: outline of 118 points within 43.53,16.79 48.98,22.64
Net-(H1-Pad1) on Top: 20.46,50.39 20.51,50.35 20.56,50.31 20.61,50.28 19.6,50.12 19.68,50.22 19.75,50.32
